# Altium PCB Stabilizer_Pounder.PcbDoc (part 5 of 7) (continued)
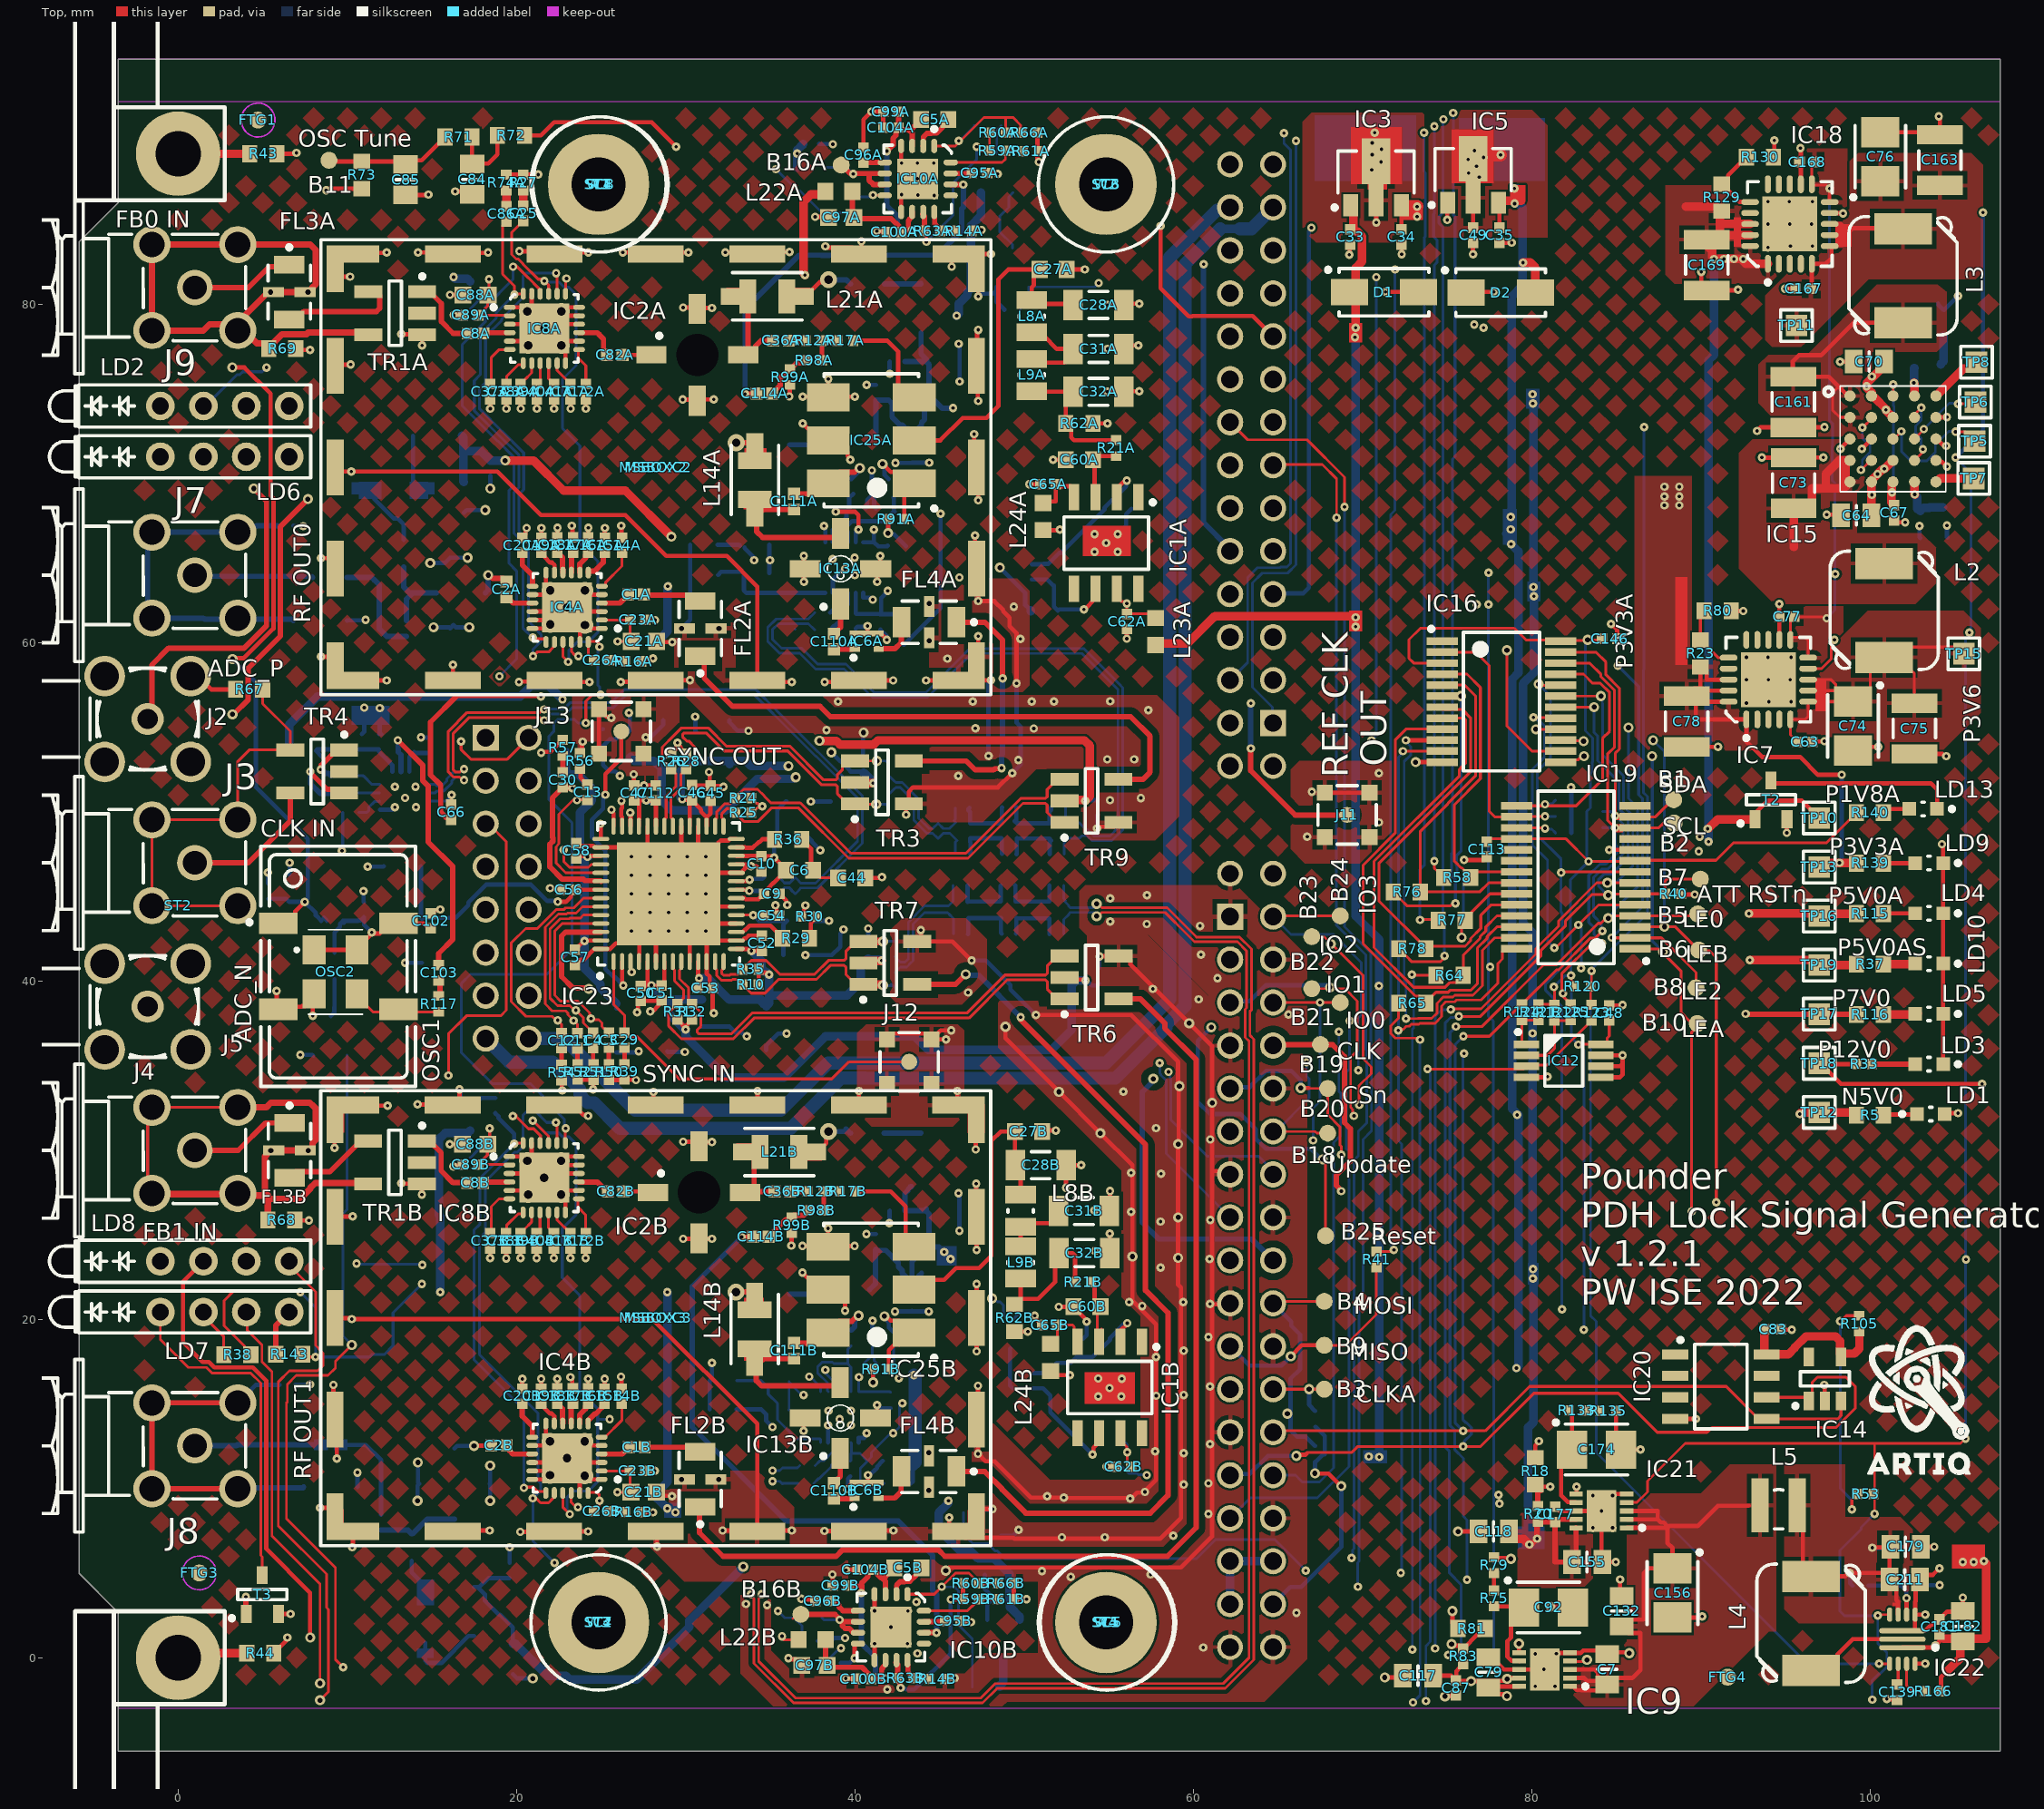
[diagram p0: Top view]
## Nets (pads, with @x,y where several pads share a name; then routed paths per layer and width w, separated by ;. In a path a pad name is that pad's centre, name@x,y a point inside that pad or via, vN(x,y) a via of type N, cw(c..) or ccw(c..) an arc to the next point about the centre after c; other vN are vias at no path point) (continued)
NetC111A_1: C111A.1 IC13A.3 L14A.1 | length 8.6
  Top w0.316: C111A.1@36.404,67.883 34.61,67.883 34.537,67.81 34.424,67.81 34.083,67.468 L14A.1@34.083,67.418 34.182,67.319 34.182,66.579 34.545,66.216 38.907,66.216 IC13A.3@39.144,66.453
NetC111A_2: C111A.2 C126A.2 IC25A.6 | length 5.3
  Top w0.316: C111A.2@36.404,68.803 37.809,68.803 IC25A.6@38.424,69.418 39.091,70.085 39.983,70.085 40.212,70.314 v2(40.288,70.314)
  Bottom Layer w0.316: C126A.2@39.776,69.7 39.781,69.7 40.234,70.153 40.234,70.26 v2(40.288,70.314)
NetC111B_1: C111B.1 IC13B.3 L14B.1 | length 8.6
  Top w0.316: C111B.1@36.394,17.684 34.6,17.684 34.527,17.611 34.414,17.611 34.073,17.269 L14B.1@34.073,17.219 34.172,17.12 34.172,16.38 34.477,16.074 38.954,16.074 IC13B.3@39.134,16.254
NetC111B_2: C111B.2 C126B.2 IC25B.6 | length 5.5
  Top w0.316: C111B.2@36.394,18.604 37.799,18.604 IC25B.6@38.414,19.219 39.081,19.886 39.812,19.886 40.139,20.213 v2(40.216,20.213)
  Bottom Layer w0.316: C126B.2@39.776,19.357 39.781,19.357 39.978,19.554 39.978,19.899 40.216,20.137 v2(40.216,20.213)
NetC114A_1: C114A.1 R98A.1 R99A.2 | length 3
  Top w0.316: C114A.1@35.106,74.727 C114A.1@35.136,74.757 ; C114A.1@35.23,74.828 35.23,74.856 35.574,75.2 35.574,75.643 35.751,75.819 35.794,75.819 36.15,76.174 R99A.2@36.17,76.174 ; R99A.2@36.144,76.251 36.266,76.251 36.546,76.531 36.99,76.531 37.122,76.662 R98A.1@37.122,76.682
NetC114A_2: C114A.2 IC10A.14 | length 23.9
  Top w0.254: v1@33.503,74.727 C114A.2@34.186,74.727
  Top w0.316: IC10A.14@45.659,87.083 46.394,87.083 v1(46.406,87.071)
  Bottom Layer w0.316: v1@33.463,74.752 33.503,74.792 33.503,79.706 36.703,82.905 38.017,82.905 38.032,82.89 38.476,82.89 38.491,82.905 44.864,82.905 46.317,84.358 46.317,85.645 46.406,85.734 v1(46.406,87.071)
  other v1: 33.503,74.707
NetC114B_1: C114B.1 R98B.1 R99B.2 | length 3.1
  Top w0.316: C114B.1@34.979,24.816 C114B.1@34.902,24.892 34.902,24.897 35.909,25.903 36.119,25.903 36.17,25.953 R99B.2@36.17,26.086 ; R99B.2@36.271,26.035 36.403,26.167 36.982,26.167 37.16,26.345 R98B.1@37.16,26.467
NetC114B_2: C114B.2 IC10B.14 | length 35.9
  Top w0.254: v1(33.299,24.866) 33.312,24.879 33.97,24.879 C114B.2@33.982,24.892
  Top w0.316: IC10B.14@44.079,1.483 44.814,1.483 v1(44.826,1.471)
  Bottom Layer w0.316: v1(33.299,24.866) 30.38,21.947 30.38,13.638 35.939,8.079 42.569,8.079 44.597,6.05 44.597,3.976 44.826,3.748 v1@44.826,1.478
NetC116A_1: C116A.1 IC11A.3 R85A.1 R86A.2 | length 5
  Bottom Layer w0.316: R85A.1@13.335,64.465 13.335,63.286 13.687,62.934 IC11A.3@13.845,62.934 ; C116A.1@13.493,61.298 13.493,62.582 IC11A.3@13.845,62.934 ; R86A.2@15.264,62.934 IC11A.3@13.979,62.934 IC11A.3@13.845,62.934
NetC116A_2: C116A.2 R6A.2 TR2A.6 | length 6.5
  Bottom Layer w0.316: TR2A.6@9.97,63.86 TR2A.6@9.978,63.852 9.984,63.858 11.436,63.858 11.593,63.701 11.888,63.406 11.888,60.814 12.324,60.378 C116A.2@13.493,60.378
NetC116B_1: C116B.1 IC11B.3 R85B.1 R86B.2 | length 4.8
  Bottom Layer w0.316: C116B.1@11.989,7.541 13.581,7.541 R85B.1@13.795,7.328 13.845,7.328 14.72,8.203 IC11B.3@16.324,8.203
NetC116B_2: C116B.2 R6B.2 TR2B.6 | length 6.1
  Bottom Layer w0.254: R6B.2@9.461,12.583 11.088,12.583 11.989,11.682 C116B.2@11.989,8.461
NetC119A_1: C119A.1 IC1A.2 R7A.2 R11A.1 | length 9.4
  Top w0.254: IC1A.2@55.483,68.341 55.483,69.12 55.894,69.531 56.017,69.531 v1(56.064,69.578)
  Bottom Layer w0.254: C119A.1@50.445,64.636 51.136,64.636 51.163,64.663 51.437,64.663 R11A.1@51.76,64.986 52.083,65.309 52.186,65.309 54.747,67.869 R7A.2@54.747,67.919 54.747,67.969 56.017,69.24 56.017,69.531 v1(56.064,69.578)
NetC119A_2: C119A.2 IC1A.6 R11A.2 R90.1 | length 6.4
  Top w0.254: v1(53.532,61.969) 53.587,61.969 54.213,62.595 IC1A.6@54.213,63.441
  Bottom Layer w0.254: C119A.2@50.445,63.736 51.36,63.736 51.71,63.386 R11A.2@51.76,63.386 51.76,62.127 R90.1@51.985,61.901 52.054,61.969 v1(53.532,61.969)
NetC119B_1: C119B.1 IC1B.2 R7B.2 R11B.1 | length 7.6
  Top w0.254: IC1B.2@55.696,19.348 56.094,19.746 v1(56.094,19.772)
  Bottom Layer w0.254: C119B.1@50.314,16.833 51.33,16.833 R11B.1@51.6,17.103 51.923,17.426 52.756,17.426 53.104,17.774 54.047,17.774 55.08,18.807 55.08,18.907 55.898,19.725 56.047,19.725 v1(56.094,19.772)
NetC119B_2: C119B.2 IC1B.6 R11B.2 R70.1 | length 11
  Top w0.254: v1(54.047,12.016) 54.094,12.063 54.094,12.42 54.253,12.579 54.253,13.35 IC1B.6@54.426,13.523
  Bottom Layer w0.254: R70.1@49.197,18.299 49.169,18.272 49.169,16.082 49.318,15.933 C119B.2@50.314,15.933 51.12,15.933 51.55,15.503 51.55,14.513 v1(54.047,12.016)
NetC120A_2: C120A.2 C121A.1 C128A.2 L16A.2 L17A.1 | length 3.8
  Bottom Layer w0.254: L16A.2@46.78,50.241 46.703,50.164 46.703,50.094 46.802,49.995 46.802,49.33 C120A.2@46.798,49.327 C128A.2@47.727,49.327 C121A.1@48.674,49.327 48.686,49.339 48.686,50.254 L17A.1@48.699,50.266
NetC120B_2: C120B.2 C121B.1 C128B.2 L16B.2 L17B.1 | length 3.9
  Bottom Layer w0.254: L16B.2@46.678,42.773 46.691,42.786 46.691,43.701 C120B.2@46.703,43.713 47.65,43.713 C121B.1@48.655,43.713 48.623,43.681 48.623,43.095 48.625,43.093 48.625,42.847 L17B.1@48.673,42.799
NetC121A_2: C121A.2 C124A.1 C129A.2 L17A.2 L18A.1 | length 4.1
  Bottom Layer w0.254: L17A.2@49.549,50.266 49.536,50.253 49.536,50.228 49.536,49.51 C121A.2@49.482,49.456 ; L18A.1@51.594,50.266 51.594,50.116 51.493,50.015 C124A.1@51.493,49.327 C129A.2@50.546,49.327 C121A.2@49.574,49.327 ; C121A.2@49.482,49.456 49.574,49.364 C121A.2@49.574,49.327 ; C121A.2@49.482,49.456 49.444,49.456 C121A.2@49.574,49.327
NetC121B_2: C121B.2 C124B.1 C129B.2 L17B.2 L18B.1 | length 3.8
  Bottom Layer w0.254: L17B.2@49.523,42.799 49.539,42.815 49.539,43.697 C121B.2@49.555,43.713 49.568,43.7 50.495,43.7 51.48,43.7 C124B.1@51.493,43.688 L18B.1@51.493,42.774
NetC122_1: C122.1 IC24.7 R162.2 | length 2.3
  Bottom Layer w0.254: IC24.7@13.664,52.378 13.664,53.248 13.944,53.528 R162.2@13.944,53.548 14.014,53.478 C122.1@14.914,53.478
NetC123_2: C123.2 C131.2 IC24.5 L10.1 | length 5.8
  Bottom Layer w0.254: L10.1@8.527,53.255 8.502,53.255 8.154,53.603 L10.1@8.154,53.628 8.214,53.688 C123.2@10.846,53.688 C131.2@11.864,53.688 ; C131.2@11.864,53.548 12.655,52.757 12.655,52.387 IC24.5@12.664,52.378
NetC125A_2: C125A.2 IC17A.4 | length 1.4
  Bottom Layer w0.254: C125A.2@38.535,61.773 38.535,61.778 39.143,62.386 39.143,62.938 IC17A.4@39.145,62.94
NetC125B_2: C125B.2 IC17B.4 | length 2
  Bottom Layer w0.152: C125B.2@37.65,11.358 37.65,11.363 37.929,11.642 38.146,11.642 38.744,12.24 38.744,12.327 38.866,12.449 IC17B.4@38.866,12.724
NetC126A_1: C126A.1 IC17A.8 IC17A.11 R100A.1 | length 6.9
  Top w0.254: v1(38.862,67.745) 40.002,67.745 40.205,67.541 v1(40.205,66.679)
  Bottom Layer w0.254: IC17A.8@38.695,65.94 38.695,66.686 39.241,67.232 ; v1(38.862,67.745) 38.886,67.769 R100A.1@39.511,67.769 ; 39.293,67.18 39.493,67.38 39.493,67.75 R100A.1@39.511,67.769 ; C126A.1@39.903,68.808 39.656,68.561 39.656,67.913 R100A.1@39.535,67.792 R100A.1@39.511,67.769 ; IC17A.11@40.045,65.94 40.047,65.942 v1@40.047,66.53
NetC126B_1: C126B.1 IC17B.8 IC17B.11 R100B.1 | length 6.5
  Bottom Layer w0.152: IC17B.8@38.416,15.724 38.367,15.773 38.367,16.255 37.794,16.828 37.794,17.204 38.059,17.469 38.669,17.469 38.75,17.388 39.558,17.388 R100B.1@39.573,17.373 ; IC17B.11@39.766,15.724 39.766,17.181 R100B.1@39.573,17.373 ; C126B.1@39.776,18.437 39.573,18.234 R100B.1@39.573,17.373
NetC128A_1: C128A.1 C135A.2 C136A.1 L19A.2 L20A.1 | length 3.9
  Bottom Layer w0.254: L19A.2@46.78,47.549 46.833,47.601 46.833,47.756 46.833,48.2 C135A.2@46.805,48.227 ; L20A.1@48.699,47.523 48.686,47.536 48.686,48.425 C136A.1@48.674,48.438 47.727,48.438 C135A.2@46.805,48.438 ; C135A.2@46.805,48.227 C135A.2@46.805,48.438 ; C135A.2@46.805,48.227 C135A.2@46.805,48.438
NetC128B_1: C128B.1 C135B.2 C136B.1 L19B.2 L20B.1 | length 3.9
  Bottom Layer w0.254: L19B.2@46.653,45.644 46.662,45.635 46.662,44.687 C135B.2@46.671,44.678 46.683,44.691 47.65,44.691 48.585,44.691 48.61,44.716 48.61,45.631 L20B.1@48.622,45.644
NetC129A_1: C129A.1 C136A.2 C137A.1 L20A.2 L30A.1 | length 3.9
  Bottom Layer w0.254: L20A.2@49.551,47.496 L20A.2@49.563,47.508 ; L20A.2@49.561,47.536 49.561,48.425 C136A.2@49.574,48.438 49.586,48.425 50.546,48.425 51.48,48.425 C137A.1@51.493,48.412 51.604,48.301 51.578,48.301 51.505,48.229 51.505,47.51 L30A.1@51.518,47.498
NetC129B_1: C129B.1 C136B.2 C137B.1 L20B.2 L30B.1 | length 3.9
  Bottom Layer w0.254: L20B.2@49.472,45.644 49.485,45.631 49.485,44.716 C136B.2@49.497,44.704 50.495,44.704 C137B.1@51.493,44.704 L30B.1@51.493,45.643
NetC133A_2: C133A.2 IC17A.3 | length 2.7
  Bottom Layer w0.254: C133A.2@38.535,60.757 38.535,60.762 38.763,60.99 38.826,60.99 39.236,61.4 39.236,61.901 39.595,62.26 IC17A.3@39.595,62.94
NetC133B_2: C133B.2 IC17B.3 | length 3.2
  Bottom Layer w0.152: C133B.2@37.572,10.313 37.572,10.318 37.851,10.597 37.892,10.597 38.604,11.309 38.604,11.411 39.316,12.123 IC17B.3@39.316,12.724
NetC134A_1: C134A.1 IC17A.9 IC17A.10 R102A.2 | length 5.9
  Bottom Layer w0.254: IC17A.9@39.145,65.94 39.145,66.493 39.834,67.183 41.714,67.183 42.273,67.742 R102A.2@42.297,67.742 ; 39.446,66.7 39.593,66.553 IC17A.10@39.595,65.94 IC17A.10@39.595,65.94 ; C134A.1@42.266,68.577 42.297,68.545 R102A.2@42.297,67.742 ; R102A.2@42.342,67.742 R102A.2@42.297,67.742
NetC134A_2: C134A.2 IC25A.1 R91A.1 | length 5.3
  Top w0.254: v2(41.631,70.561) 41.65,70.561 42.122,70.089 42.833,70.089 IC25A.1@43.504,69.418 ; R91A.1@42.913,67.31 42.913,69.202 IC25A.1@42.951,69.24
  Bottom Layer w0.254: v2(41.631,70.561) 41.631,70.467 41.753,70.345 41.753,69.903 41.981,69.675 C134A.2@41.986,69.675
NetC134B_1: C134B.1 IC17B.9 IC17B.10 R102B.2 | length 9.3
  L3 w0.152: v1(38.247,17.016) 39.405,17.016 39.424,17.035 42.324,17.035 42.634,16.725 42.634,16.554 v1(42.599,16.519)
  Bottom Layer w0.152: v1(38.247,17.016) 38.251,17.012 38.251,16.833 38.817,16.267 ; IC17B.9@38.866,15.724 38.817,15.773 38.817,16.267 ; IC17B.10@39.316,15.724 39.316,16.193 39.226,16.282 38.832,16.282 38.817,16.267 ; C134B.1@42.24,18.361 42.278,18.323 R102B.2@42.278,17.348 42.492,17.134 42.492,16.72 42.599,16.613 v1(42.599,16.519)
NetC134B_2: C134B.2 IC25B.1 R91B.1 | length 6.5
  Top w0.254: v2(41.743,20.184) 41.836,20.184 42.103,19.917 42.622,19.917 43.312,19.228 43.486,19.228 IC25B.1@43.494,19.219 ; R91B.1@41.999,17.043 41.999,18.169 42.676,18.847 IC25B.1@42.824,18.847 ; IC25B.1@42.614,18.521 IC25B.1@43.312,19.219
  Bottom Layer w0.254: v2(41.743,20.184) 41.743,20.09 42.007,19.825 42.007,19.509 42.235,19.281 C134B.2@42.24,19.281
NetC138A_2: C138A.2 C140A.2 IC17A.2 L31A.1 R8A.2 R13A.2 | length 15.2
  L3 w0.254: v1(34.976,64.871) 35.484,64.363 35.484,64.276 36.692,63.068 v1(41.935,63.068)
  Bottom Layer w0.254: R13A.2@34.938,65.786 v1@34.938,64.922 ; R8A.2@34.95,64.109 34.938,64.122 v1@34.938,64.922 ; v1(34.976,64.871) 34.976,64.884 v1@34.938,64.922 ; IC17A.2@40.045,62.94 C138A.2@40.045,61.731 40.075,61.701 41.466,61.701 C140A.2@41.478,61.689 ; C140A.2@41.504,61.671 41.485,61.689 C140A.2@41.478,61.689 ; C140A.2@41.554,61.722 41.554,62.644 41.935,63.025 v1(41.935,63.068) ; L31A.1@42.901,61.569 42.781,61.689 C140A.2@41.478,61.689
NetC138B_2: C138B.2 C140B.2 IC17B.2 L31B.1 R8B.2 R13B.2 | length 18.7
  L3 w0.152: v1(36.963,15.534) 40.893,15.534 40.982,15.444 41.533,15.444 41.94,15.038 v1(42.8,15.038)
  Bottom Layer w0.152: R13B.2@36.081,14.656 36.106,14.681 R8B.2@36.106,16.282 ; R8B.2@36.106,16.332 R8B.2@36.106,16.282 ; v1(36.963,15.534) 36.897,15.6 36.788,15.6 R8B.2@36.106,16.282 ; C140B.2@39.726,11.626 39.766,11.666 39.766,12.082 ; IC17B.2@39.766,12.724 39.797,12.693 39.797,12.082 40.292,12.082 C138B.2@40.742,11.633 ; L31B.1@41.72,10.312 41.446,10.039 40.637,10.039 40.314,10.362 40.314,11.205 C138B.2@40.742,11.633 ; v1(42.8,15.038) 42.716,15.038 42.626,14.948 42.626,13.638 v1(42.259,13.271) 42.192,13.204 42.039,13.204 40.975,12.141 40.975,11.867 C138B.2@40.742,11.633
NetC139_1: C139.1 IC22.9 | length 1.3
  Top w0.166: C139.1@101.594,-1.582 101.659,-1.517 IC22.9@101.659,-0.352
NetC145_2: C145.2 OSC1.1 R73.2 R167.1 R168.2 | length 58.1
  Top w0.254: v2(3.199,76.27) 3.207,76.263 3.912,76.263 5.46,74.715 5.46,68.7 5.631,68.529 5.631,60.831 3.885,59.085 3.259,59.085 v2(3.204,59.03) ; OSC1.1@5.904,43.409 6.409,43.409 6.917,43.917 6.917,44.118 v1(7.478,44.678) ; v1(8.744,86.738) 8.811,86.738 8.911,86.838 R73.2@10.844,86.838
  L3 w0.254: v2(3.199,76.27) 4.011,77.082 4.072,77.082 4.878,77.887 4.878,79.009 4.242,79.645 4.242,82.236 v1(8.744,86.738)
  Bottom Layer w0.254: v2(3.204,59.03) 4.594,57.64 4.594,51.463 7.664,48.393 7.664,44.864 v1(7.478,44.678) ; C145.2@5.331,44.855 6.387,44.855 6.564,44.678 v1(7.478,44.678) ; R167.1@8.454,43.558 8.131,43.881 8.131,44.025 v1(7.478,44.678) ; R167.1@8.601,43.741 8.621,43.741 8.784,43.578 R167.1@8.784,43.558 ; v1@8.697,86.691 v1(8.744,86.738)
NetC161_2: C161.2 IC15.A1 IC15.B1 L3.1 | length 14.7
  Top w0.152: 98.095,75.082 97.79,74.777 97.79,73.736 98.213,73.313 IC15.B1@98.814,73.313
  Top w0.254: C161.2@95.428,75.819 95.428,76.632 95.783,76.987 97.104,76.987 99.031,78.914 L3.1@101.949,78.914 ; C161.2@95.459,75.724 97.554,75.724 98.506,74.773 98.515,74.773 98.755,74.532 IC15.A1@98.755,74.523
NetC174_1: C174.1 IC21.7 R133.2 | length 6.4
  Top w0.254: R133.2@82.191,14.605 82.191,14.585 82.379,14.397 C174.1@82.379,12.303 81.744,11.668 81.744,9.588 82.131,9.201 82.601,9.201 IC21.7@82.624,9.178
NetC194_1: C194.1 TR4.1 | length 2.8
  Top w0.316: v1(8.421,52.506) 8.456,52.541 8.456,52.753 9.359,53.656 TR4.1@9.804,53.656
  Bottom Layer w0.316: v1(8.421,52.506) 8.471,52.506 8.697,52.28 8.882,52.28 C194.1@9.034,52.128
NetFL2A_1: FL2A.1 TR9.4 | length 33.4
  Top w0.316: FL2A.1@30.859,59.213 31.094,58.978 31.094,57.905 32.76,56.239 37.933,56.239 38.546,55.626 56.294,55.626 57.444,54.475 57.444,52.345 57.017,51.918 TR9.4@55.574,51.918
NetFL2B_1: FL2B.1 TR6.6 | length 66.3
  Top w0.316: FL2B.1@30.81,8.839 30.81,7.391 32.207,5.994 38.887,5.994 39.268,6.375 44.933,6.375 45.314,5.994 58.471,5.994 60.161,7.684 60.161,35.359 58.311,37.209 58.311,37.507 56.88,38.938 TR6.6@55.58,38.938
NetFL3A_2: FL3A.2 FL3A.4 J9.2 R69.1 TR1A.4 | length 37.5
  Top w0.381: J9.2@3.524,78.448 J9.2@3.524,78.822 ; R69.1@5.352,77.388 R69.1@5.352,77.43 ; TR1A.4@10.789,78.204 TR1A.4@11.234,78.204 11.102,78.335 7.676,78.335 7.576,78.236 6.15,78.236 5.352,77.438 R69.1@5.352,77.43 ; J9.2@3.524,78.822 3.524,78.923 5.319,80.718 v2(5.459,80.718) FL3A.2@5.636,80.718 FL3A.4@7.491,80.718 v2(7.669,80.718) 7.809,80.718 7.923,80.832 7.923,80.972 8.128,81.177 8.128,83.209 7.809,83.528 J9.2@-1.556,83.528 J9.2@-1.556,78.448 1.484,78.448 1.858,78.822 J9.2@3.524,78.822 ; J9.2@3.524,78.822 4.657,77.689 5.092,77.689 R69.1@5.352,77.43
NetFL3A_3: FL3A.3 TR1A.6 | length 6.7
  Top w0.316: FL3A.3@6.564,79.093 6.944,79.093 7.423,79.572 11.716,79.572 11.901,79.758 11.901,80.522 11.705,80.718 TR1A.6@11.694,80.718
NetFL3B_2: FL3B.2 FL3B.4 J4.2 R68.1 TR1B.4 | length 41.8
  Top w0.166: J4.2@-1.842,32.055 -1.806,32.018 J4.2@-1.806,27.448 ; J4.2@-1.806,32.528 J4.2@-1.556,32.528 3.12,32.528 J4.2@3.238,32.41 ; J4.2@-1.639,27.686 -1.401,27.448 J4.2@3.334,27.448
  Top w0.381: J4.2@-1.056,27.406 3.524,27.406 J4.2@3.524,27.448 3.649,27.323 5.12,27.323 ; J4.2@3.524,32.528 5.198,32.528 5.474,32.805 7.784,32.805 7.95,32.639 8.119,32.47 8.119,30.601 7.938,30.42 7.938,30.103 7.824,29.988 FL3B.4@7.506,29.988 FL3B.2@5.651,29.988 v2(5.474,29.988) 5.334,29.988 5.219,29.874 5.219,29.734 5.12,29.634 5.12,27.323 ; R68.1@5.296,25.868 5.296,27.124 ; TR1B.4@11.224,28.005 11.163,28.066 8.101,28.066 7.797,27.761 7.797,27.712 7.209,27.124 5.296,27.124 ; 5.12,27.323 5.296,27.323 5.296,27.124
  other v2: 7.684,29.988
NetFL3B_3: FL3B.3 TR1B.6 | length 6
  Top w0.316: FL3B.3@6.579,28.363 6.941,28.725 8.959,28.725 10.753,30.519 TR1B.6@11.684,30.519
NetFL4A_3: FL4A.3 IC6A.2 | length 2.7
  Top w0.316: IC6A.2@41.394,59.638 42.359,59.638 42.741,60.02 42.741,61.19 FL4A.3@42.759,61.209
NetFL4B_1: FL4B.1 TR7.6 | length 53.3
  Top w0.316: TR7.6@43.678,39.802 45.948,39.802 v2(46.548,40.402) ; FL4B.1@45.999,11.01 47.666,11.01 48.702,9.974 48.702,9.946 50.097,8.551 57.459,8.551 58.501,9.593 58.501,20.391 57.175,21.717 57.175,30.327 49.829,37.674 49.829,37.828 v1(49.794,37.863)
  Bottom Layer w0.316: v2(46.548,40.402) 46.602,40.347 47.31,40.347 v1(49.794,37.863)
NetFL4B_3: FL4B.3 IC6B.2 | length 2.7
  Top w0.316: IC6B.2@41.384,9.439 42.349,9.439 42.731,9.821 42.731,10.992 FL4B.3@42.749,11.01
NetIC7_16: IC7.16 R23.1 R80.2 | length 4
  Top w0.166: R80.2@90.189,61.884 89.969,61.664 R23.1@89.969,60.154 90.019,60.154 90.386,59.787 90.386,59.737 91.009,59.114 IC7.16@91.639,59.114
NetIC8A_19: IC8A.19 R41.2 | length 110
  Top w0.152: R41.2@70.815,24.009 71.665,24.009 71.76,24.104 v1(71.854,24.104)
  Top w0.166: IC8A.19@22.893,80.622 22.893,81.468 v1(22.949,81.523)
  L3 w0.152: 70.067,81.787 70.193,81.787 70.469,82.063 v1(71.919,82.063)
  L3 w0.166: v1(22.949,81.523) 22.984,81.488 27.454,81.488 28.158,82.192 38.709,82.192 39.298,81.603 54.105,81.603 54.414,81.912 69.942,81.912 70.066,81.788
  Bottom Layer w0.152: v1(71.854,24.104) 71.854,24.198 71.665,24.388 71.665,67.576 71.919,67.83 v1(71.919,82.063)
NetIC9_6: IC9.6 R81.1 R83.2 | length 7.1
  Top w0.254: v2(75.263,0.804) 75.357,0.804 75.448,0.713 75.781,0.713 R83.2@75.944,0.55 75.964,0.55 76.772,1.358 76.921,1.358 77.244,1.681 R81.1@77.244,1.731 ; v2(79.246,0.836) 79.246,0.329 IC9.6@79.269,0.306
  L3 w0.254: v2(75.263,0.804) 75.279,0.82 79.23,0.82 v2(79.246,0.836)
NetIC10A_1: IC10A.1 R60A.1 R66A.2 R95A.2 | length 8.7
  Top w0.152: IC10A.1@44.684,89.358 45.926,89.358 47.613,91.045 48.894,91.045 ; R60A.1@48.908,90.144 48.908,91.031 48.894,91.045 ; R66A.2@49.844,90.144 49.799,90.189 49.799,90.594 49.348,91.045 48.894,91.045
  Bottom Layer w0.152: v1(46.134,89.659) 46.199,89.659 47.041,90.501 R95A.2@47.041,90.551
NetIC10A_8: IC10A.8 R104A.2 | length 1.6
  Top w0.152: v1(41.067,86.461) 41.081,86.447 41.745,86.447 IC10A.8@41.759,86.433
  Bottom Layer w0.152: R104A.2@40.208,86.347 40.858,86.347 40.973,86.461 v1(41.067,86.461)
NetIC10A_12: IC10A.12 R14A.2 R63A.1 | length 2.1
  Top w0.316: IC10A.12@44.684,85.458 44.684,85.199 44.71,85.173 44.71,84.754 44.917,84.546 44.917,84.49 45.003,84.404 R63A.1@45.06,84.404 ; R63A.1@45.049,84.338 45.883,84.338 R14A.2@45.923,84.379
NetIC10A_16: IC10A.16 R59A.1 R61A.2 | length 4.8
  Top w0.152: IC10A.16@45.659,88.383 48.698,88.383 48.894,88.579 R59A.1@48.894,89.063 49.913,89.063 R61A.2@49.924,89.052
NetIC10B_1: IC10B.1 R60B.1 R66B.2 R95B.2 | length 13.2
  Top w0.166: IC10B.1@43.104,3.758 44.692,3.758 v1(45.132,4.198) 45.939,5.005 46.734,5.005 47.328,4.412 R60B.1@47.328,4.392 47.331,4.388 R66B.2@48.399,4.388
  Bottom Layer w0.152: v1(45.132,4.198) 45.15,4.18 45.893,4.18 46.115,3.958 46.115,1.936 46.939,1.111 R95B.2@46.939,-1.727
NetIC10B_8: IC10B.8 R104B.2 | length 1.9
  Top w0.254: v1(39.984,-0.026) 39.984,0.788 40.028,0.833 IC10B.8@40.179,0.833
  Bottom Layer w0.254: R104B.2@39.18,-0.305 39.705,-0.305 v1(39.984,-0.026)
NetIC10B_12: IC10B.12 R14B.2 R63B.1 | length 2.1
  Top w0.316: IC10B.12@43.104,-0.142 43.104,-0.401 43.13,-0.427 43.13,-0.846 43.325,-1.042 43.34,-1.042 43.472,-1.174 R63B.1@43.472,-1.194 43.506,-1.228 44.337,-1.228 R14B.2@44.343,-1.222
NetIC10B_16: IC10B.16 R59B.1 R61B.2 | length 4.7
  Top w0.166: IC10B.16@44.079,2.783 46.659,2.783 47.101,3.225 47.121,3.225 47.328,3.432 R59B.1@47.328,3.452 48.438,3.452 R61B.2@48.449,3.463
NetIC12_1: IC12.1 R121.1 R124.2 | length 2.6
  Top w0.166: IC12.1@79.693,36.26 79.563,36.26 79.42,36.402 R124.2@79.42,37.693 80.4,37.693 R121.1@80.41,37.683
NetIC12_2: IC12.2 R122.1 R125.2 | length 4.4
  Top w0.166: IC12.2@79.693,35.61 80.931,35.61 81.34,36.019 R122.1@81.34,37.663 82.29,37.663 R125.2@82.31,37.683
NetIC15_A4: IC15.A4 R84.1 | length 1.7
  Top w0.508: v1(102.591,75.362) 102.624,75.328 IC15.A4@102.624,74.583
  Bottom Layer w0.508: v1(102.591,75.362) 102.591,76.208 102.608,76.225 R84.1@102.616,76.225
NetIC15_A5: IC15.A5 TP8.1 | length 3.2
  Top w0.508: IC15.A5@103.894,74.583 105.504,76.193 105.908,76.193 106.147,76.432 TP8.1@106.147,76.632
NetIC15_B2: IC15.B2 IC15.D2 IC22.8 R120.2 R123.2 | length 105.6
  Top w0.152: v1(83.532,40.595) 83.532,39.725 R120.2@83.48,39.673 83.48,38.663 R123.2@83.54,38.603 ; v1(99.466,70.205) 100.101,70.84 IC15.D2@100.33,70.84 ; v1(99.543,72.72) 99.568,72.745 99.593,72.745 100.084,73.236 IC15.B2@100.084,73.313 ; v1(100.538,-0.352) IC22.8@101.159,-0.352
  L3 w0.152: v1(86.639,72.745) 92.033,72.745 93.252,71.526 97.468,71.526 98.789,70.205 v1(99.466,70.205)
  Bottom Layer w0.152: v1@83.485,40.607 83.485,40.628 86.84,43.983 86.84,50.906 86.611,51.135 86.611,58.39 86.639,58.418 v1(86.639,72.745) ; v1(83.532,40.595) 83.485,40.548 83.485,20.213 83.81,19.888 83.81,12.135 96.297,-0.352 v1(100.538,-0.352) ; v1(99.466,70.205) 99.533,70.272 99.533,70.459 99.543,70.468 99.543,70.799 99.996,71.252 99.996,71.648 99.543,72.101 v1(99.543,72.72) v1@99.543,72.771
NetIC15_C3: IC15.C3 TP5.1 | length 7.3
  Top w0.152: IC15.C3@101.354,72.043 101.406,72.043 v1(101.854,72.491) ; v1(105.054,72.466) 105.531,72.466 105.534,72.463 105.642,72.463 TP5.1@105.867,72.237
  Bottom Layer w0.152: v1(101.854,72.491) 101.854,71.298 102.413,70.739 103.353,70.739 103.861,71.247 103.861,71.704 104.648,72.491 v1@105.131,72.491
NetIC15_C4: IC15.C4 TP6.1 | length 4.4
  Top w0.152: IC15.C4@102.624,72.043 103.175,72.594 v1(103.175,72.618) ; v1(105.207,74.117) 106.096,74.117 TP6.1@106.147,74.168
  Bottom Layer w0.152: v1(103.175,72.618) 104.068,73.511 104.068,73.528 104.682,74.142 v1@105.207,74.142
NetIC15_E4: IC15.E4 R55.1 R82.1 | length 3.1
  Top w0.508: IC15.E4@102.624,69.503 102.624,68.775 v1(102.641,68.758)
  Bottom Layer w0.508: v1(102.641,68.758) 102.786,68.613 102.786,67.927 R55.1@102.819,67.894 ; R55.1@102.969,67.784 103.165,67.98 103.497,67.98 103.513,67.996 R82.1@104.318,67.996
NetIC15_E5: IC15.E5 TP7.1 | length 2.3
  Top w0.508: IC15.E5@103.911,69.52 103.952,69.52 104.136,69.704 TP7.1@106.129,69.704
NetIC16_2: IC16.2 IC19.16 R47.2 | length 15.9
  Top w0.166: IC16.2@74.59,59.439 76.689,59.439 77.5,58.628 77.5,50.018 77.816,49.703 IC19.16@79.117,49.703 79.131,49.717 80.776,49.717 v1(80.79,49.731)
  Bottom Layer w0.166: v1(80.79,49.731) 81.394,49.731 R47.2@81.397,49.728
NetIC16_21: IC16.21 IC19.15 R48.2 | length 15.1
  Top w0.166: IC19.15@79.117,50.353 79.258,50.353 80.68,50.353 v1@80.79,50.353 ; v1(80.79,50.444) v1@80.79,50.353 ; IC16.21@81.84,58.139 83.068,58.139 83.606,57.601 84.061,57.601 84.603,57.059 84.603,54.759 84.185,54.341 84.185,51.911 82.628,50.353 v1@80.79,50.353
  Bottom Layer w0.166: v1(80.79,50.444) 80.806,50.461 81.19,50.461 81.397,50.668 R48.2@81.397,50.688
NetIC17A_7: IC17A.7 IC17A.12 R103A.2 | length 6.6
  L3 w0.254: v1(38.176,66.895) 38.223,66.942 38.737,66.942 38.978,67.183 40.619,67.183 v1(41.123,66.679)
  Bottom Layer w0.254: v1(38.176,66.895) 38.176,66.828 38.245,66.76 IC17A.7@38.245,65.94 ; IC17A.12@40.495,65.94 41.123,65.94 ; v1(41.123,66.679) 41.123,65.94 ; R103A.2@41.935,65.735 41.912,65.712 41.912,65.684 41.378,65.684 41.123,65.94
NetIC17B_7: IC17B.7 IC17B.12 R103B.2 | length 6.9
  L3 w0.152: v1(37.301,16.61) 37.348,16.563 40.215,16.563 v1(40.234,16.581)
  Bottom Layer w0.152: v1(37.301,16.61) 37.38,16.61 37.572,16.417 37.572,16.392 37.966,15.999 IC17B.7@37.966,15.724 ; v1(40.234,16.581) 40.225,16.572 40.225,15.733 IC17B.12@40.216,15.724 42.074,15.724 R103B.2@42.113,15.684
NetIC18_16: IC18.16 R129.1 R130.2 | length 4.3
  Top w0.254: R129.1@91.239,87.104 R129.1@91.289,87.104 ; R130.2@92.689,88.704 92.689,88.654 92.366,88.331 92.316,88.331 91.612,87.627 91.612,87.427 R129.1@91.289,87.104 ; IC18.16@92.909,86.044 92.9,86.053 92.29,86.053 91.612,86.731 91.612,86.781 R129.1@91.289,87.104
NetIC19_17: IC19.17 R46.2 | length 2.4
  Top w0.166: IC19.17@79.117,49.053 80.563,49.053 80.594,49.022 v1(80.79,49.022)
  Bottom Layer w0.166: v1(80.79,49.022) 80.836,48.975 81.19,48.975 81.397,48.768 R46.2@81.397,48.748
NetIC21_6: IC21.6 R18.1 R20.2 | length 4.6
  Top w0.254: R18.1@80.213,10.223 80.366,10.071 80.404,10.109 v1(81.102,10.109) ; IC21.6@82.624,9.678 82.629,9.678 82.652,9.701 v1(82.652,10.109)
  Top w0.316: R18.1@80.213,10.223 80.263,10.223 80.391,10.096 80.555,9.932 R18.1@80.555,9.882 ; R20.2@80.366,8.966 R18.1@80.366,10.071
  L3 w0.254: v1(81.102,10.109) v1(82.652,10.109)
NetIC22_2: IC22.2 L4.1 | length 6.2
  Top w0.254: L4.1@96.514,-0.737 97.289,-0.737 98.087,0.061 98.087,0.216 98.969,1.098 IC22.2@101.909,1.098
NetIC22_5: IC22.5 R134.1 R136.2 | length 3.8
  Top w0.254: IC22.5@102.158,2.549 v1(102.157,3.528)
  Bottom Layer w0.254: R134.1@99.904,4.268 101.784,4.268 R136.2@101.814,4.298 102.137,3.975 102.137,3.548 v1(102.157,3.528)
NetIC22_10: IC22.10 R166.1 | length 2.5
  Top w0.152: 102.159,-1.052 102.159,-1.634 102.507,-1.982 R166.1@103.254,-1.982
  Top w0.166: 102.159,-1.052 IC22.10@102.159,-0.352
NetIC23_2: IC23.2 J13.1 | length 18
  Top w0.254: v1(25.253,51.01) 25.253,52.234 26.187,53.168 J13.1@26.187,54.753 ; IC23.2@26.234,41.148 26.234,39.875 26.304,39.805 v1(26.304,39.738)
  Bottom Layer w0.254: v1(25.253,51.01) 25.253,50.944 25.13,50.821 25.13,50.759 25.108,50.738 25.108,50.182 24.455,49.528 24.455,48.507 25.253,47.708 25.253,40.714 25.731,40.236 25.806,40.236 v1(26.304,39.738)
NetIC23_17: IC23.17 R29.1 | length 2.9
  Top w0.254: IC23.17@33.357,42.9 33.476,43.019 33.516,43.019 33.778,43.281 35.011,43.281 35.714,42.578 R29.1@35.714,42.528
NetIC23_27: IC23.27 R36.1 | length 2.8
  Top w0.254: IC23.27@32.984,47.898 32.986,47.896 33.507,47.896 33.525,47.878 33.963,47.878 34.3,48.215 34.36,48.215 34.523,48.378 34.523,48.398 ; 34.58,48.388 35.571,48.388 R36.1@35.581,48.378
NetIC24_2: IC24.2 R165.2 | length 1.6
  Bottom Layer w0.166: R165.2@10.664,49.968 11.157,49.968 11.254,50.065 11.254,50.263 11.594,50.602 11.888,50.602 IC24.2@11.914,50.628
NetIC25A_3: IC25A.3 R17A.2 | length 5.7
  Top w0.254: R17A.2@39.904,77.851 41.91,77.851 42.553,77.208 42.553,75.196 42.794,74.955 IC25A.3@43.231,74.955
NetIC25B_3: IC25B.3 R17B.2 | length 5.7
  Top w0.254: R17B.2@40.03,27.559 42.113,27.559 43.002,26.67 43.002,24.638 IC25B.3@43.231,24.409
NetJ3_1: J3.1 TR4.4 | length 8.3
  Top w0.316: J3.1@0.984,46.988 4.139,46.988 6.624,49.474 TR4.4@6.624,51.116
NetJ3_2: J3.2 R67.1 TR4.6 | length 26
  Top w0.166: J3.2@3.135,49.64 3.023,49.528 J3.2@-1.556,49.528 J3.2@-1.556,44.448 J3.2@3.524,44.448 ; J3.2@3.524,49.528 3.524,52.984 4.196,53.656 TR4.6@6.624,53.656 6.624,54.766 4.994,56.396 R67.1@4.994,57.238
NetJ7_2: J7.2 R19A.2 TR2A.3 | length 21.5
  Bottom Layer w0.316: R19A.2@6.008,66.776 R19A.2@5.876,66.908 4.651,66.908 4.632,66.889 3.506,66.889 3.486,66.908 3.107,66.528 J7.2@-1.556,66.528 -1.806,66.278 -1.806,61.698 J7.2@-1.556,61.448 1.484,61.448 1.549,61.383 3.524,61.383 6.727,61.383 TR2A.3@6.798,61.312
NetJ8_2: J8.2 R19B.2 TR2B.3 | length 22.2
  Top w0.316: J8.2@-2.274,9.365 -1.556,10.083 J8.2@-1.556,15.056 ; J8.2@-1.556,9.988 2.47,9.988 J8.2@2.515,10.033 ; J8.2@-1.556,15.068 J8.2@3.524,15.068
  Bottom Layer w0.254: J8.2@3.524,15.068 4.585,16.129 R19B.2@5.982,16.129
  Bottom Layer w0.316: J8.2@3.524,9.988 J8.2@3.759,9.988 ; J8.2@3.524,10.038 7.368,10.038 TR2B.3@7.418,10.088
NetL13_2: L13.2 T1.3 | length 2.3
  Bottom Layer w0.254: T1.3@9.024,37.928 9.222,38.126 9.222,38.451 9.246,38.475 L13.2@9.246,40.106
NetL14A_2: L14A.2 R4A.2 | length 3.4
  Top w0.316: v3(32.984,71.818) L14A.2@34.083,71.818 L14A.2@34.083,70.768
  Bottom Layer w0.316: v3(32.984,71.818) 34.034,71.818 R4A.2@34.154,71.698
NetL14B_2: L14B.2 R4B.2 | length 3.4
  Top w0.316: v3(32.974,21.619) L14B.2@34.073,21.619 L14B.2@34.073,20.569
  Bottom Layer w0.316: v3(32.974,21.619) 34.024,21.619 R4B.2@34.144,21.499
NetL15A_1: L15A.1 R85A.2 | length 3.8
  Bottom Layer w0.254: L15A.1@11.575,69.006 11.575,68.506 12.736,67.345 12.955,67.345 13.335,66.965 R85A.2@13.335,66.065
NetL15A_2: L15A.2 R34A.2 | length 3.2
  Bottom Layer w0.254: L15A.2@13.875,69.006 R34A.2@13.875,72.221
NetL15B_1: L15B.1 R85B.2 | length 1.8
  Bottom Layer w0.254: R85B.2@13.795,5.728 13.795,5.042 L15B.1@14.605,4.232
NetL15B_2: L15B.2 R34B.2 | length 4.7
  Bottom Layer w0.254: L15B.2@14.605,0.882 L15B.2@14.605,-0.168 14.749,-0.312 15.561,-0.312 17.161,1.288 R34B.2@17.486,1.288